# Altium PCB FPGA_SHIELD_MARK1_RA1_2.PcbDoc (part 1 of 4)
Units mil, origin at the board's own origin, x right, y up, seen from the top; angles counter-clockwise.
Board outline 3471 x 2686 mil, 4 copper layers (Top Layer, GND, VDD, Bottom Layer); 176 components, 185 nets, 820 pads, 591 vias.
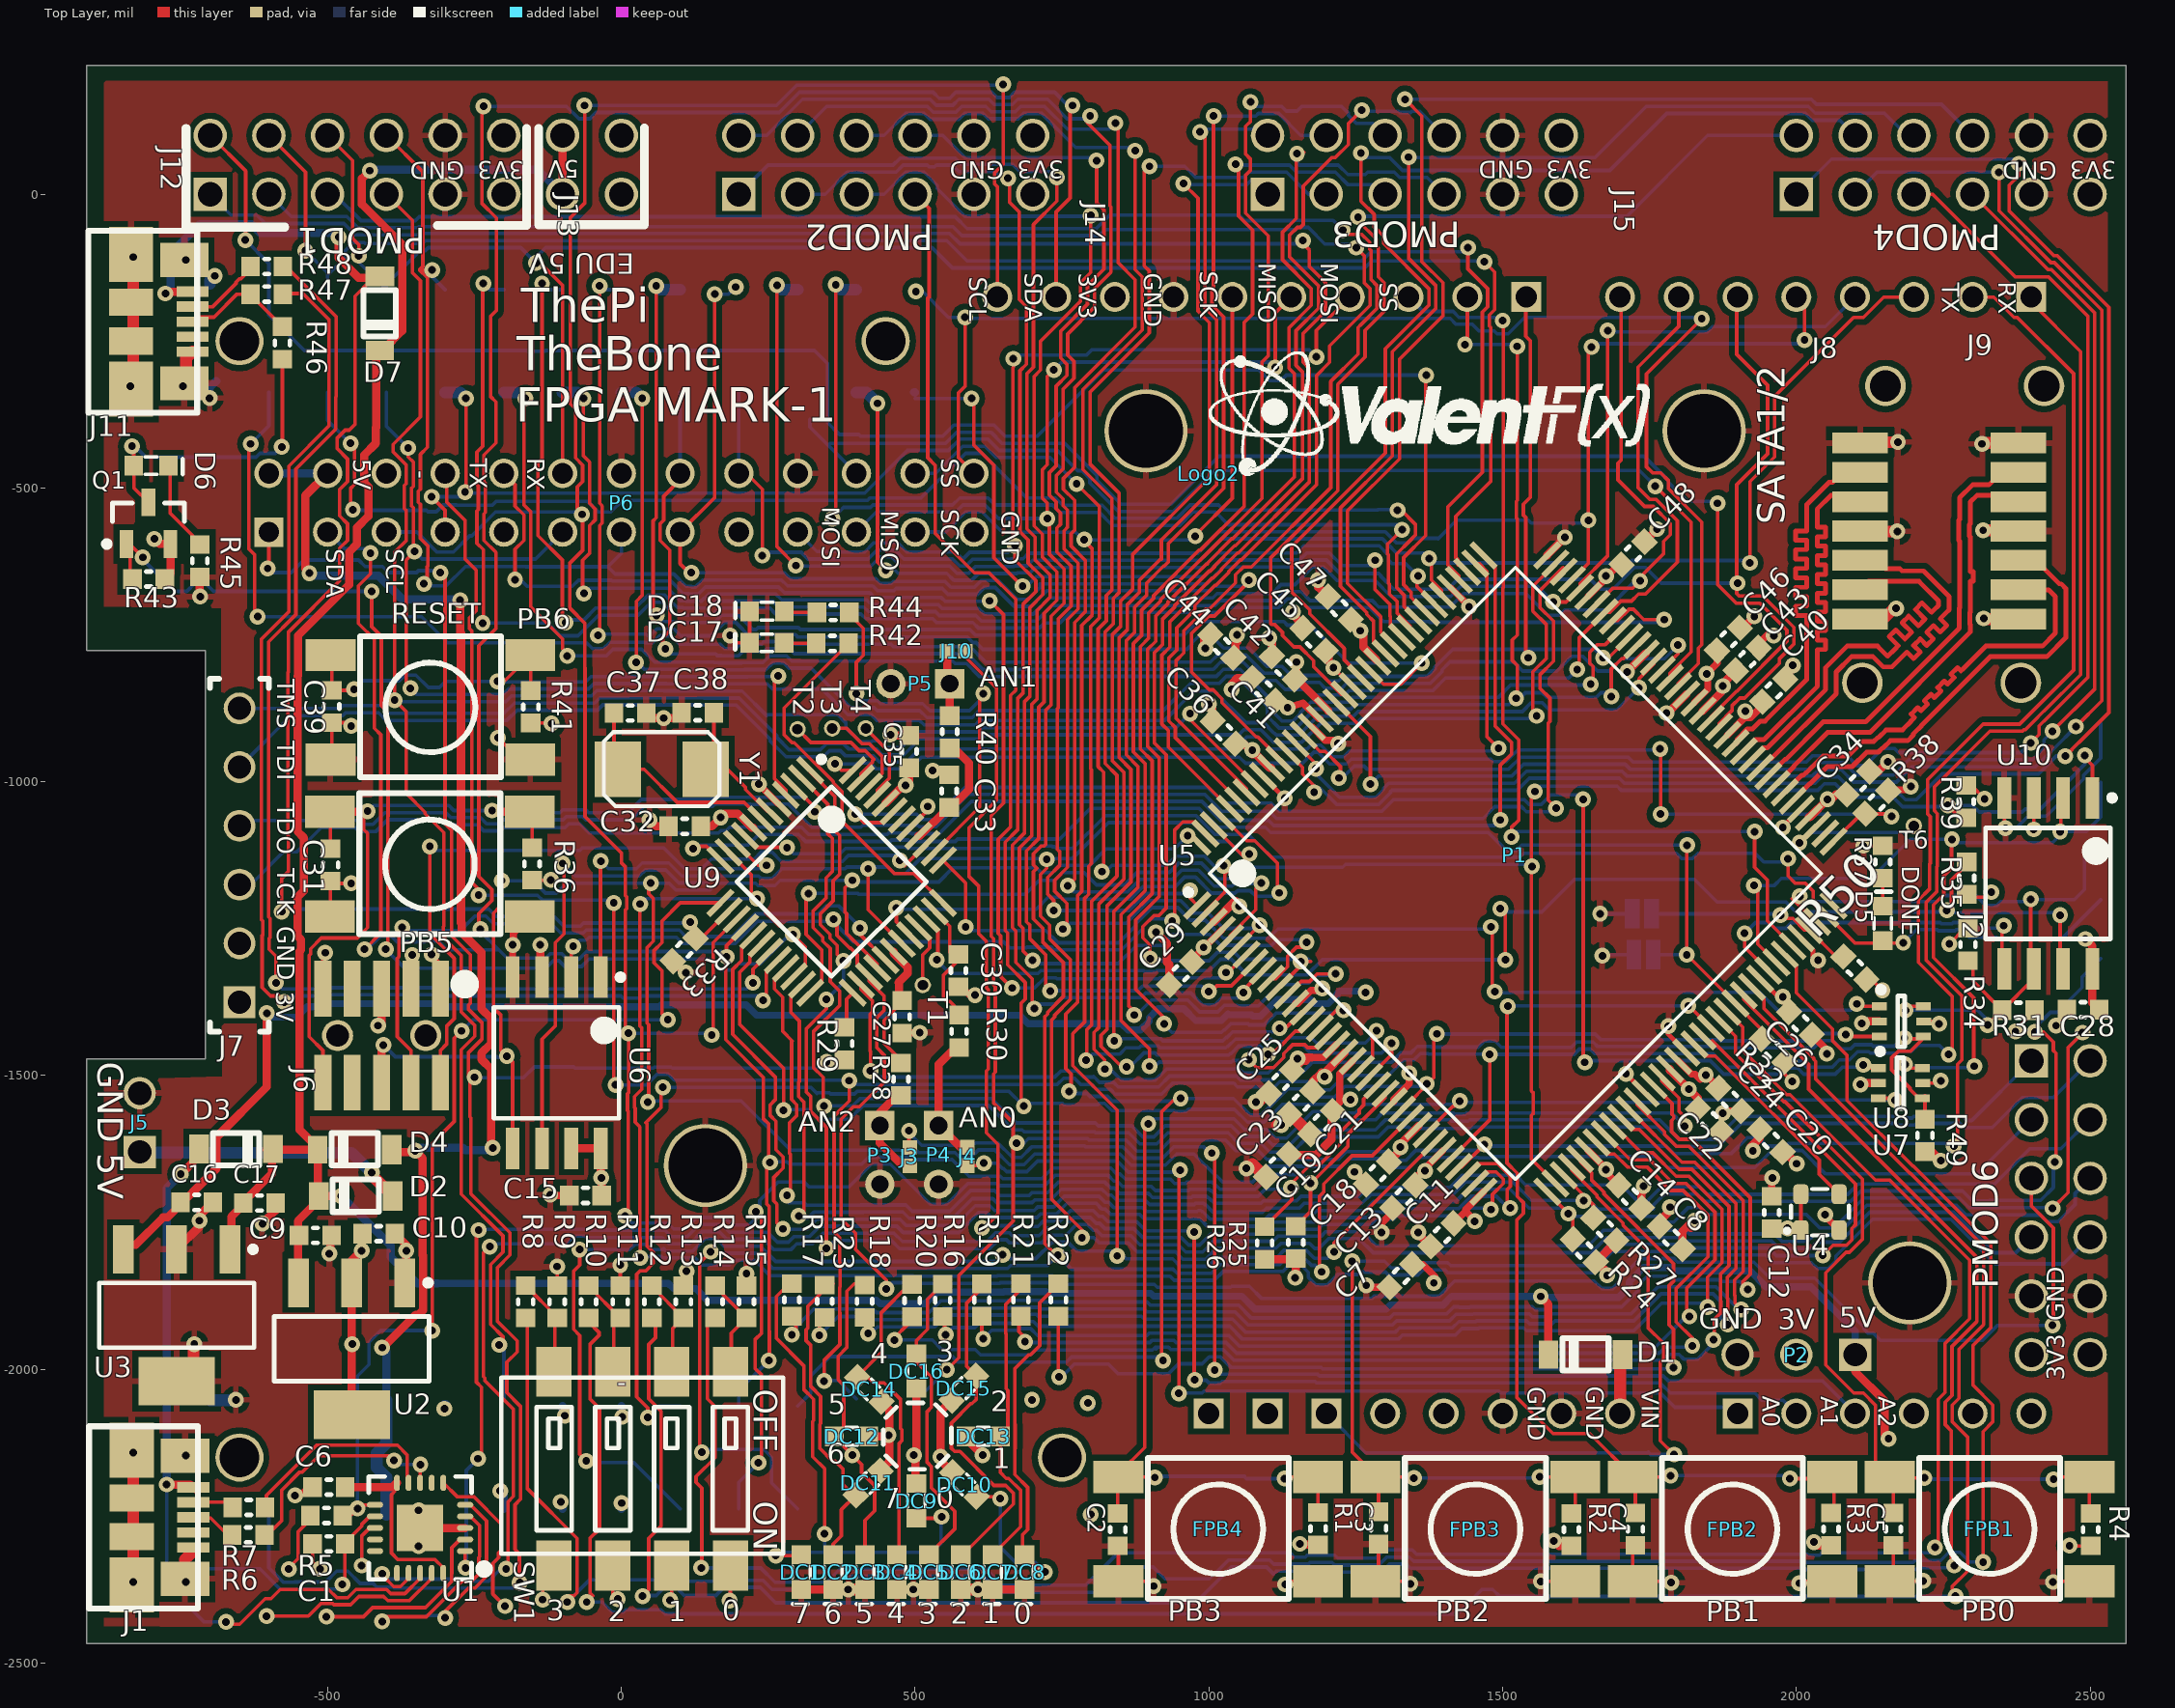
[diagram p0: Top Layer view]
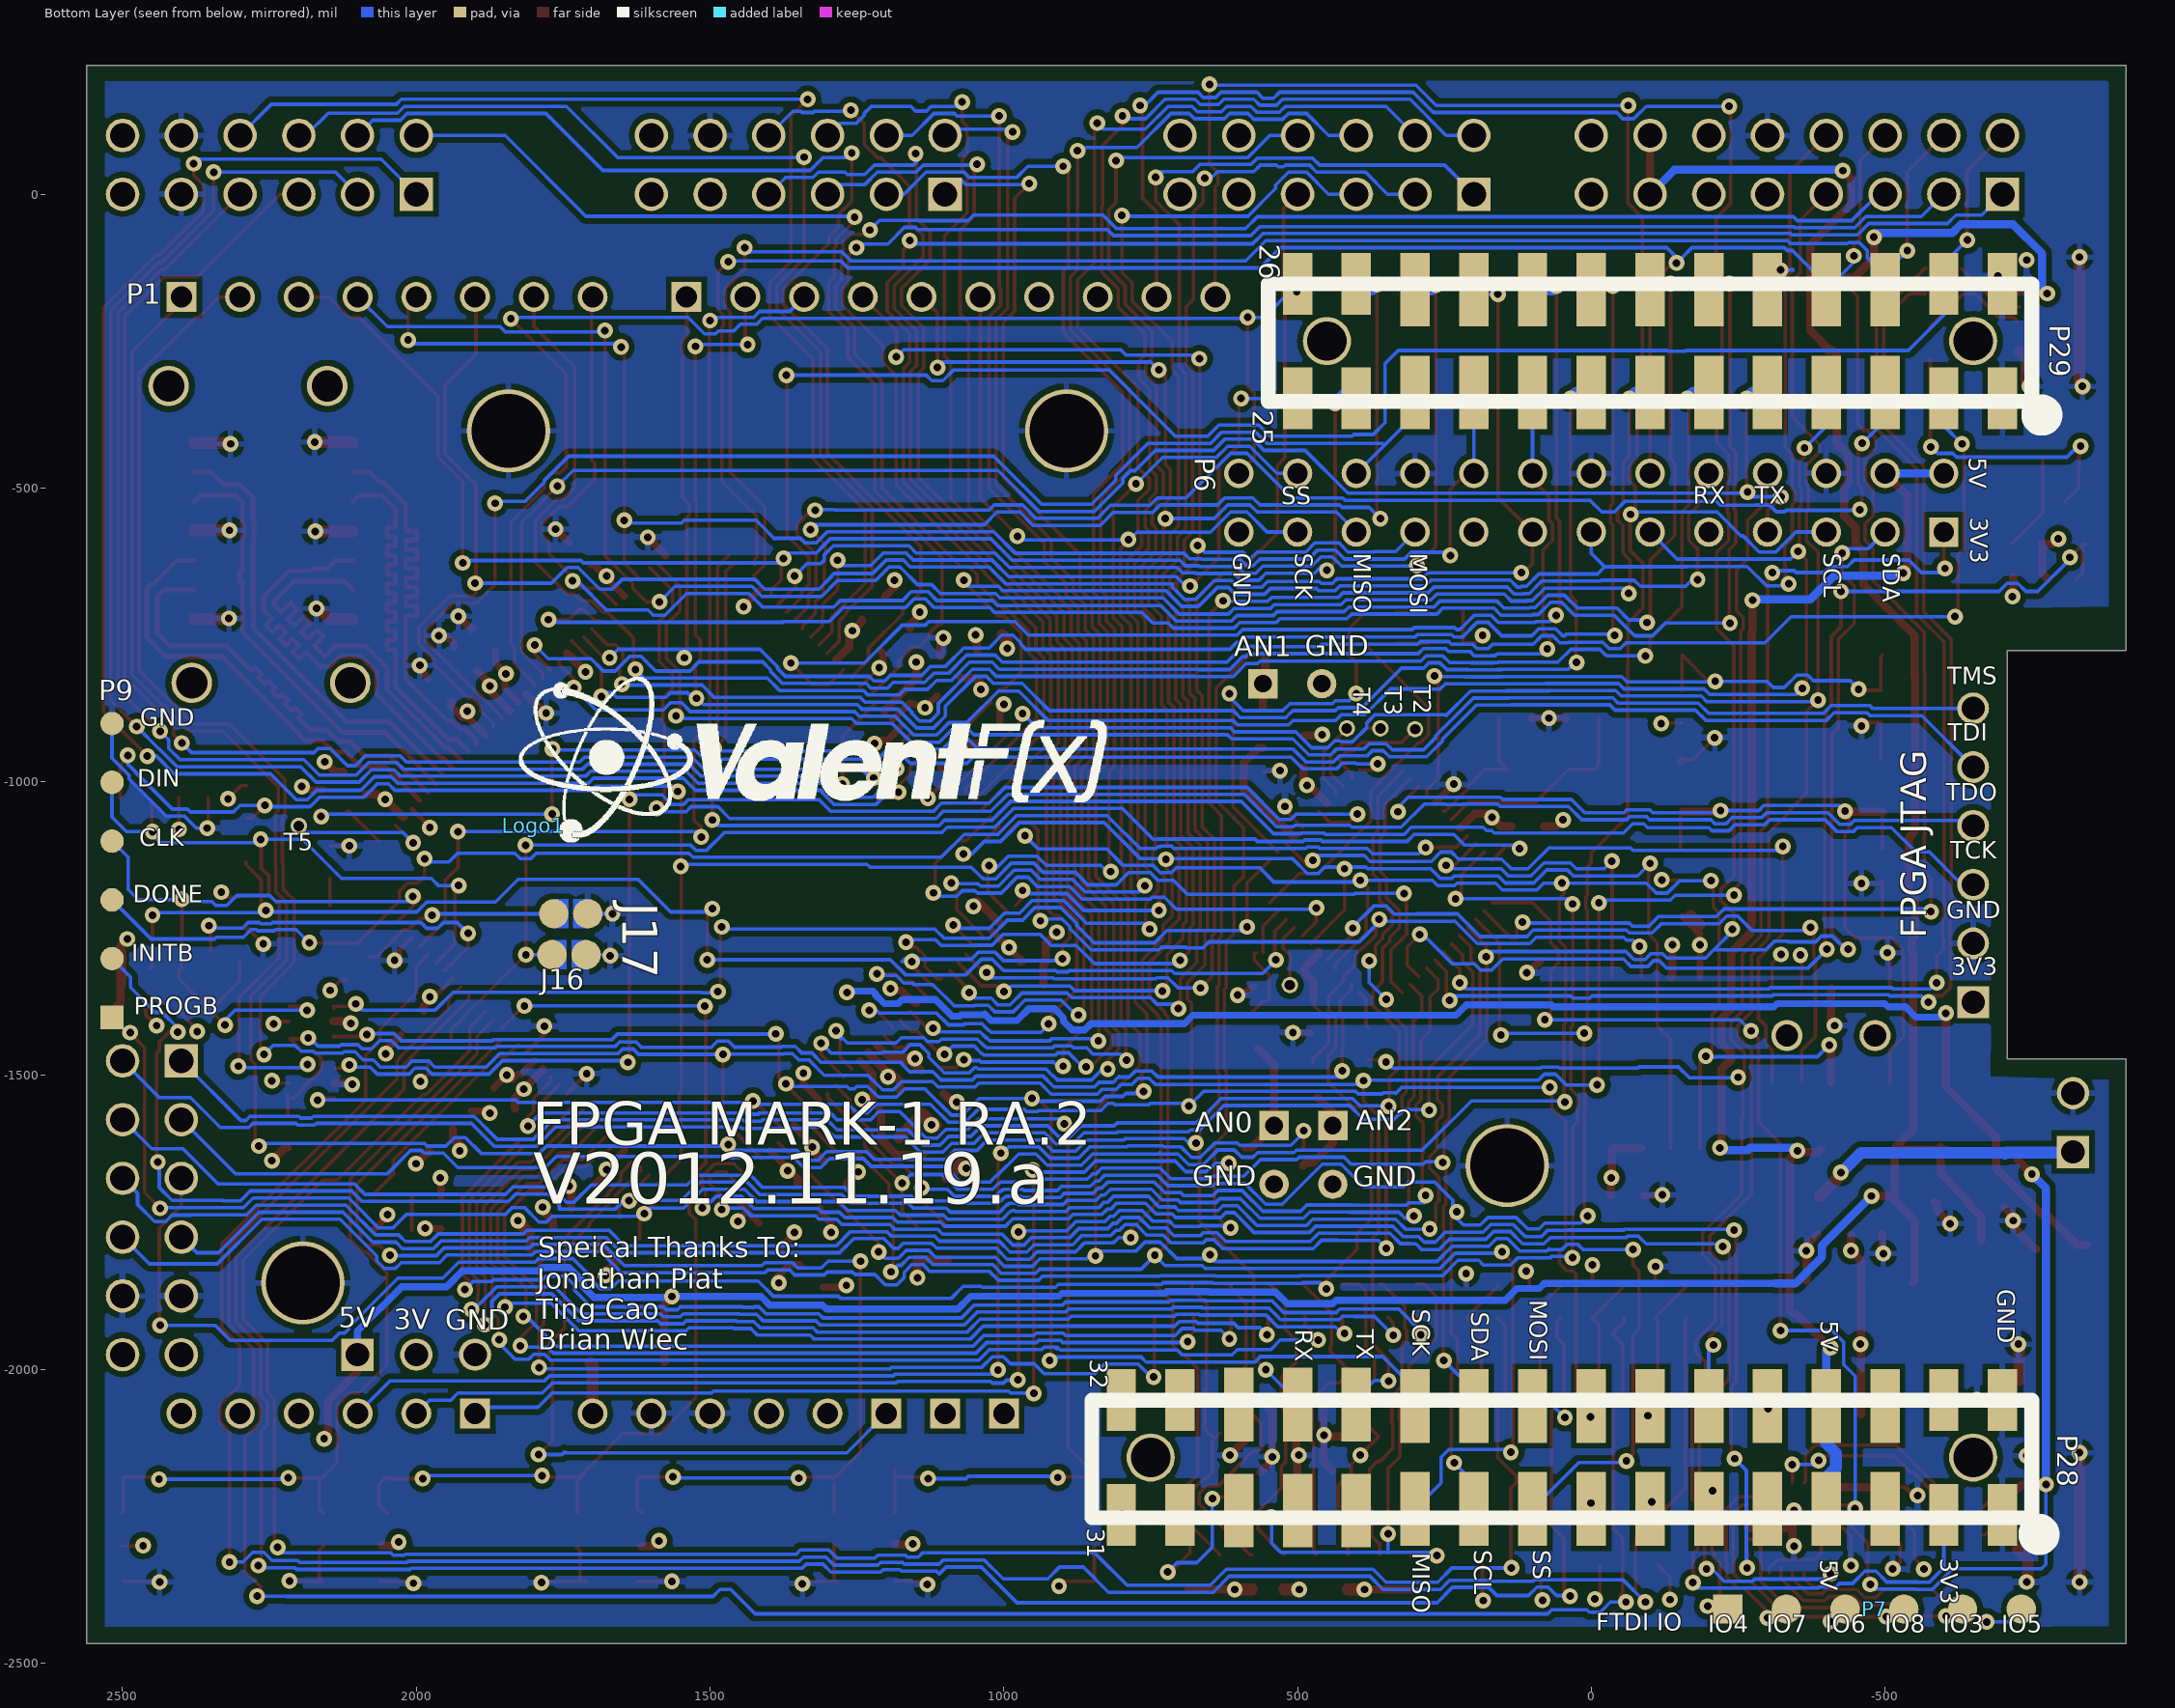
[diagram p1: Bottom Layer view, seen from below]
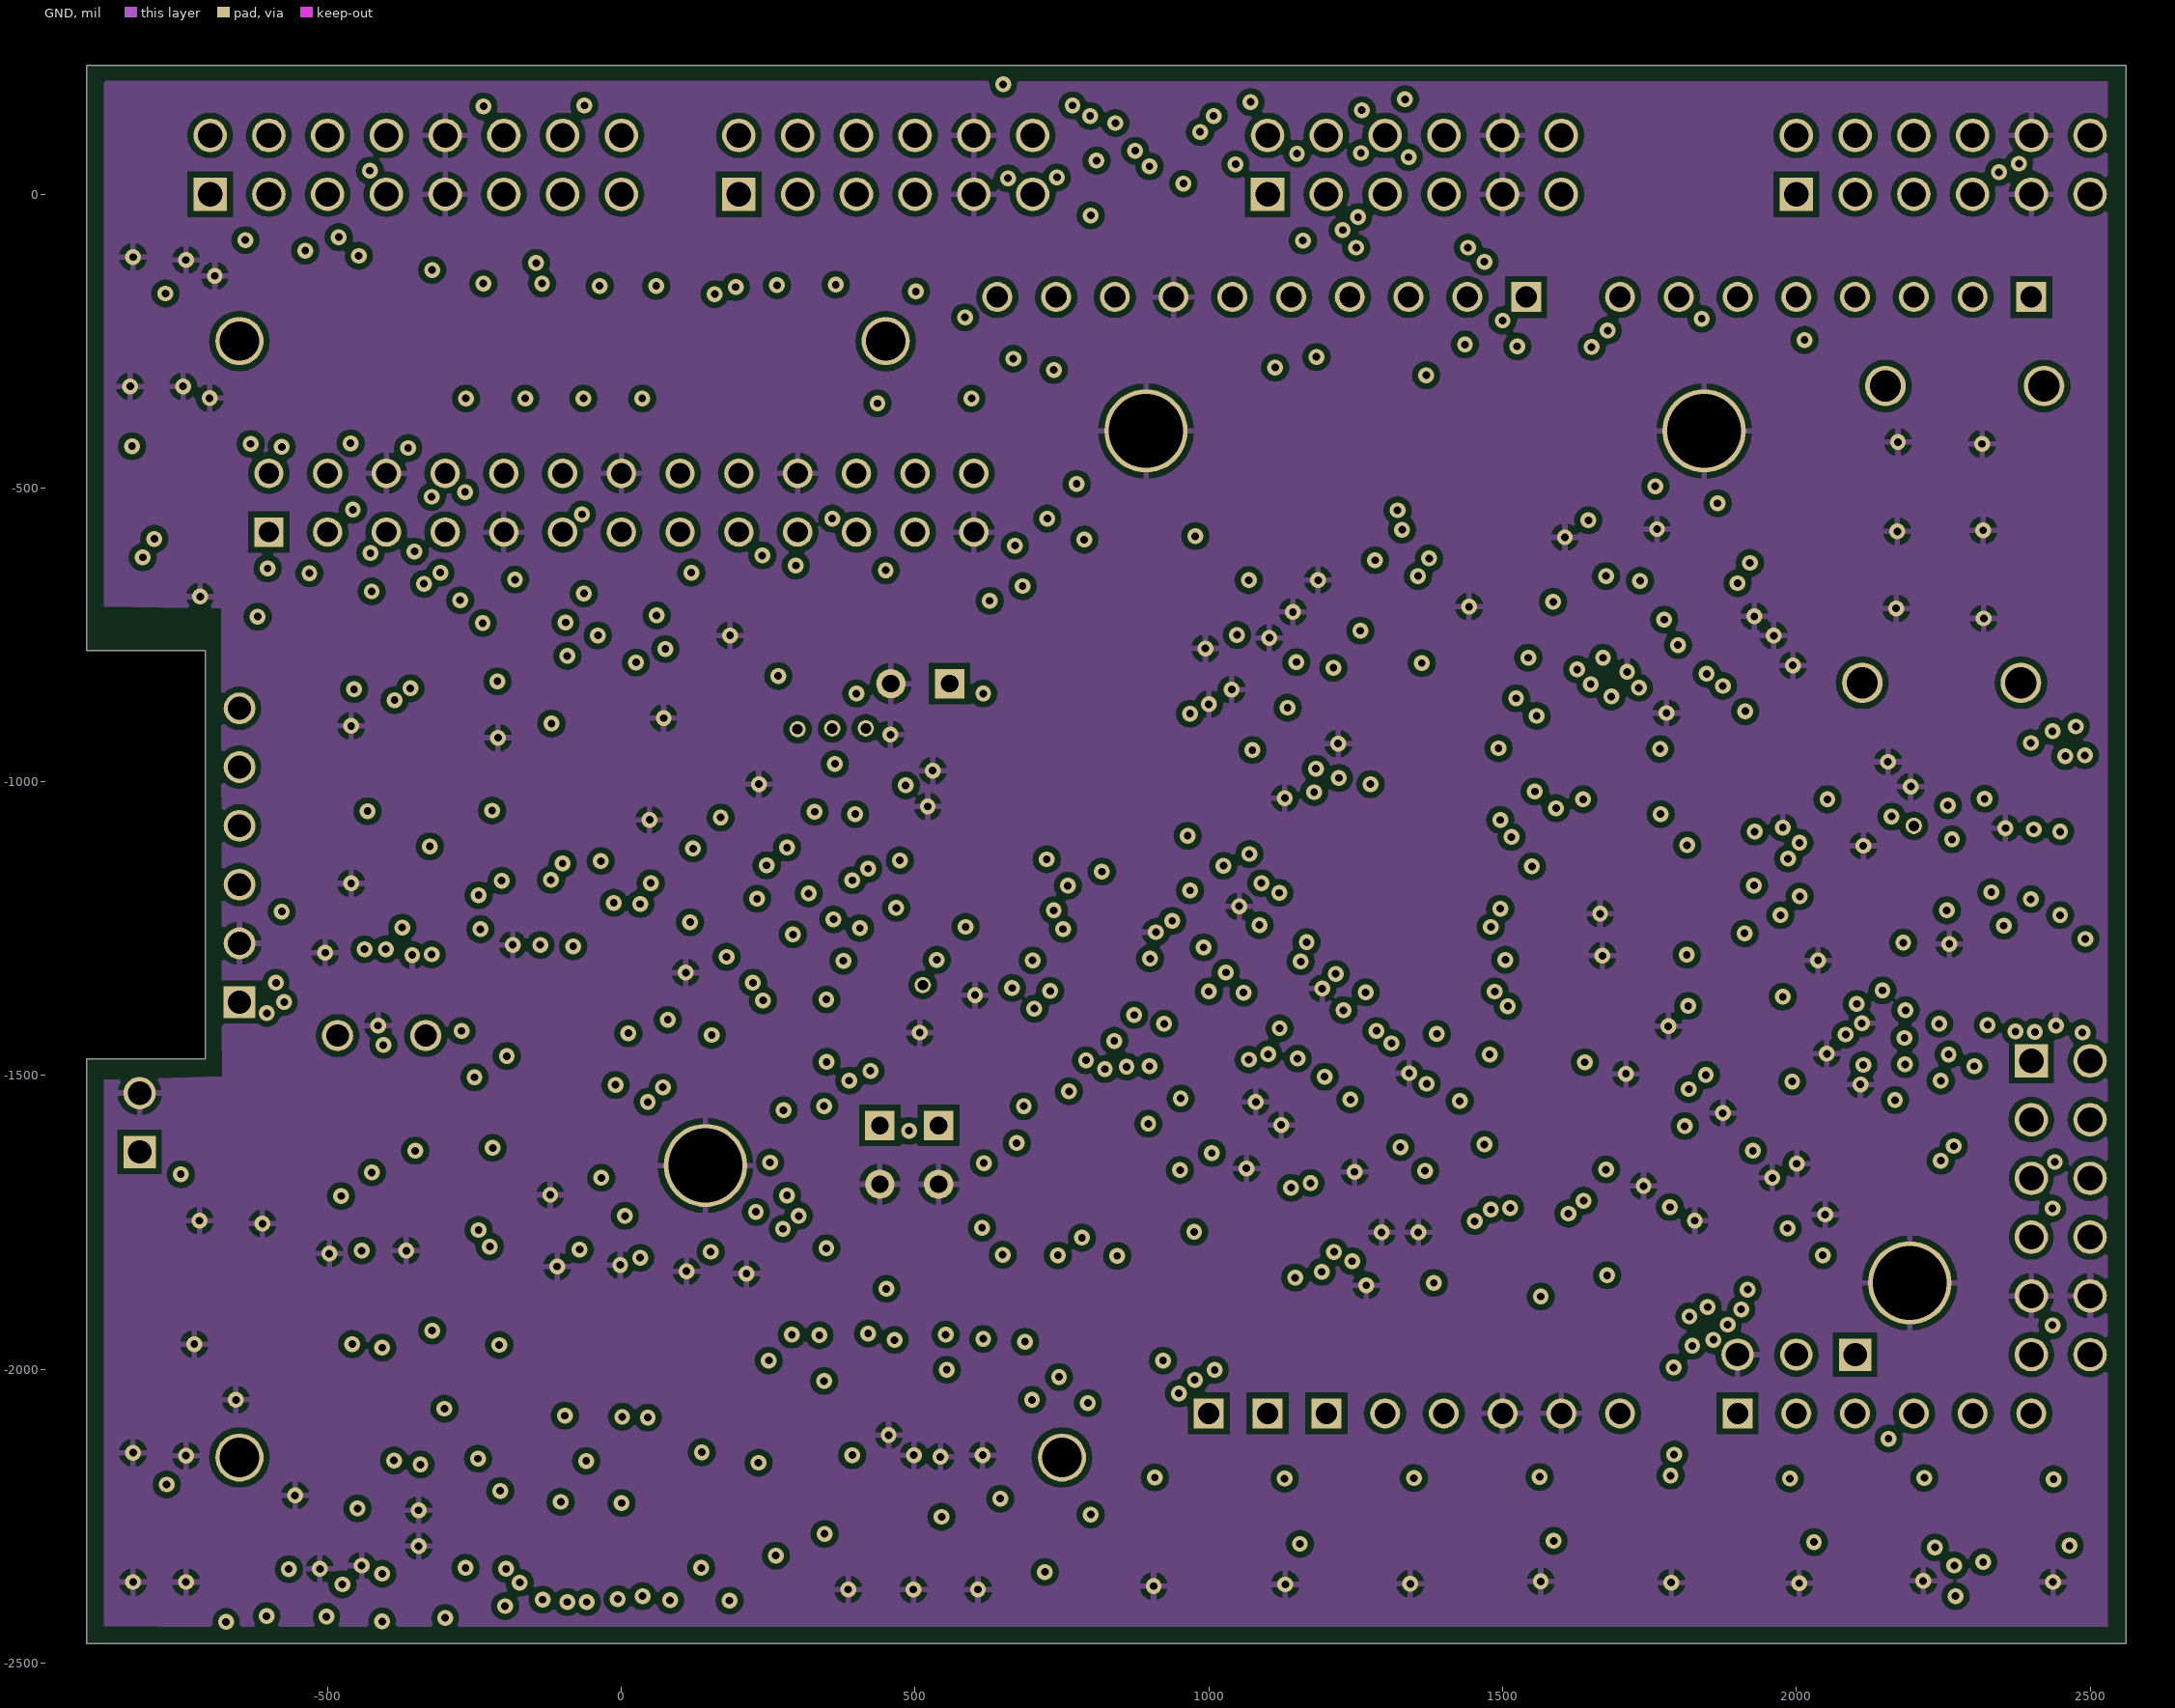
[diagram p2: GND]